# KiCad board impeller18.kicad_pcb (continued)
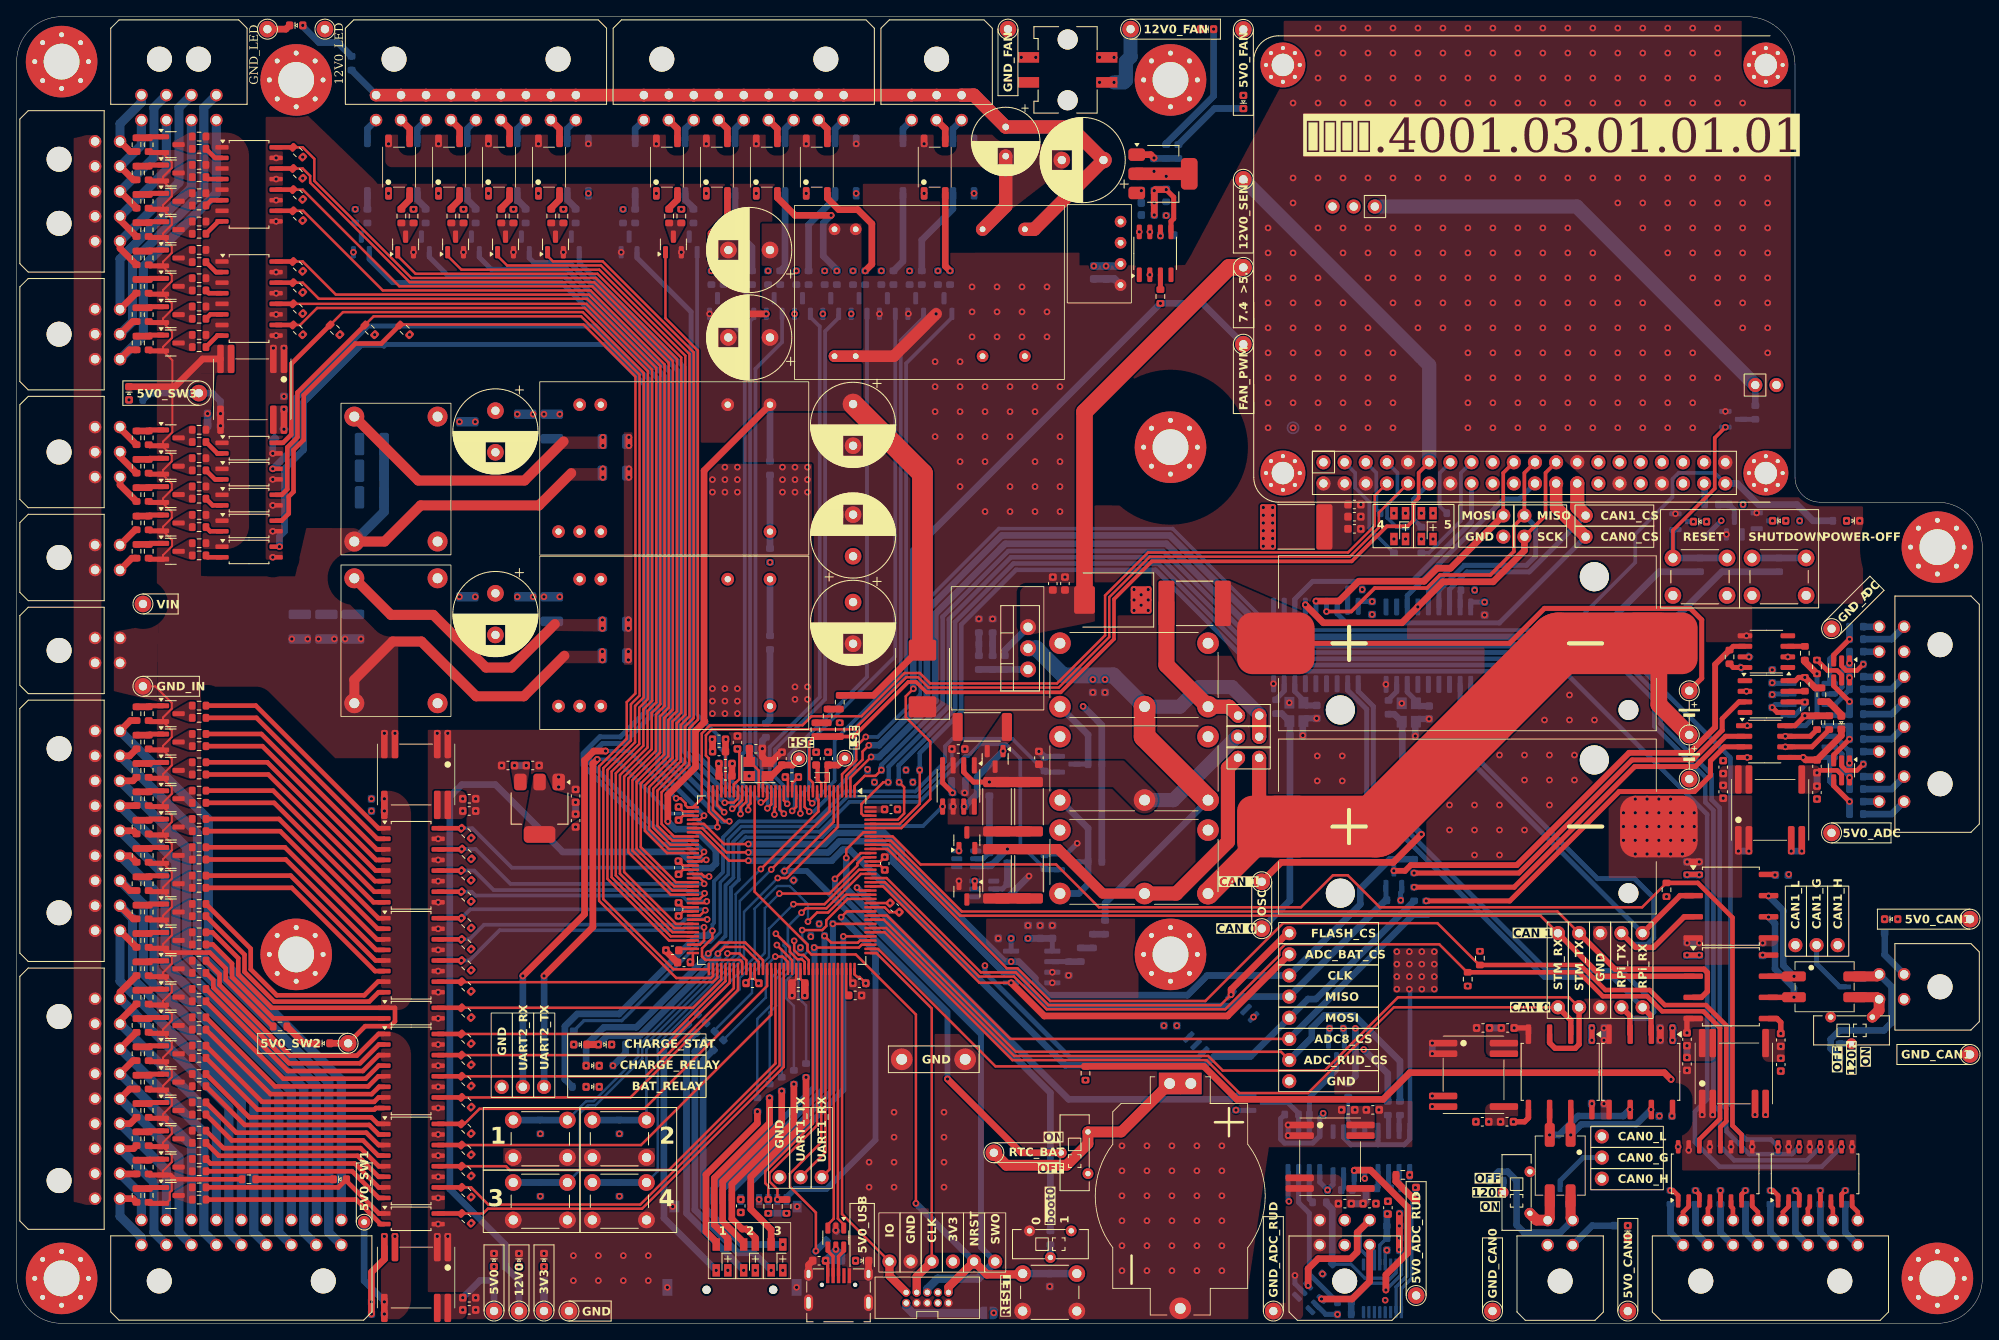
[diagram p0: board, top side]
## Copper pours and planes (outline as drawn; the poured copper is in the pictures) (continued)
Net-(Q30-D) on Top: 18.71,121.42 20.69,122.56 21.49,122.56 21.49,120.15 20.69,120.15 18.71,120.82
Net-(Q31-D) on Top: 18.71,118.02 20.69,119.16 21.49,119.16 21.49,116.74 20.69,116.74 18.71,117.42
Net-(Q32-D) on Top: 18.71,96.41 20.69,97.55 21.49,97.55 21.49,95.13 20.69,95.13 18.71,95.81
Net-(Q33-D) on Top: 18.71,93 20.69,94.15 21.49,94.15 21.49,91.73 20.69,91.73 18.71,92.4
Net-(Q34-D) on Top: 18.71,99.82 20.69,100.96 21.49,100.96 21.49,98.54 20.69,98.54 18.71,99.22
Net-(Q35-D) on Top: 18.71,103.22 20.69,104.36 21.49,104.36 21.49,101.94 20.69,101.94 18.71,102.62
Net-(Q36-D) on Top: 18.71,106.62 20.69,107.77 21.49,107.77 21.49,105.35 20.69,105.35 18.71,106.02
Net-(Q37-D) on Bottom: 40.21,131.84 40.21,132.53 42.58,132.53 42.58,131.84 41.68,129.84 41.56,129.76 41.22,129.76 41.1,129.84
Net-(Q38-D) on Bottom: 74.74,132.52 72.37,132.52 72.37,131.83 73.38,129.75 73.72,129.75 74.74,131.83
Net-(Q39-D) on Bottom: 105.76,125.12 105.76,124.43 104.74,122.35 104.4,122.35 103.39,124.43 103.39,125.12
Net-(Q40-D) on Top: 45.75,132.52 45.75,131.83 46.45,129.75 46.95,129.75 48.12,131.83 48.12,132.52
Net-(Q41-D) on Top: 77.91,132.52 80.28,132.52 80.28,131.83 79.11,129.75 78.61,129.75 77.91,131.83
Net-(Q42-D) on Bottom: 112.56,125.12 112.56,124.43 111.54,122.35 111.2,122.35 110.19,124.43 110.19,125.12
Net-(Q43-D) on Bottom: 47.21,131.83 47.21,132.52 49.58,132.52 49.58,131.83 48.87,129.75 48.37,129.75
Net-(Q44-D) on Bottom: 81.74,132.52 81.74,131.83 81.03,129.75 80.53,129.75 79.37,131.83 79.37,132.52
Net-(Q45-D) on Bottom: 109.16,125.12 109.16,124.43 108.14,122.35 107.8,122.35 106.79,124.43 106.79,125.12
Net-(Q46-D) on Top: 51.75,132.52 51.75,131.83 52.45,129.75 52.95,129.75 54.12,131.83 54.12,132.52
Net-(Q47-D) on Bottom: 85.36,125.12 85.36,124.43 84.34,122.35 84,122.35 82.99,124.43 82.99,125.12
Net-(Q48-D) on Bottom: 55.58,132.52 55.58,131.83 54.87,129.75 54.37,129.75 53.21,131.83 53.21,132.52
Net-(Q49-D) on Bottom: 88.76,125.12 88.76,124.43 87.74,122.35 87.4,122.35 86.39,124.43 86.39,125.12
Net-(Q50-D) on Top: 57.75,132.52 57.75,131.83 58.45,129.75 58.95,129.75 60.12,131.83 60.12,132.52
Net-(Q51-D) on Bottom: 98.96,125.12 98.96,124.43 97.94,122.35 97.6,122.35 96.59,124.43 96.59,125.12
Net-(Q52-D) on Bottom: 61.58,132.52 61.58,131.83 60.87,129.75 60.37,129.75 59.21,131.83 59.21,132.52
Net-(Q53-D) on Bottom: 92.16,125.12 92.16,124.43 91.14,122.35 90.8,122.35 89.79,124.43 89.79,125.12
Net-(Q54-D) on Top: 63.75,132.52 63.75,131.83 64.45,129.75 64.95,129.75 66.12,131.83 66.12,132.52
Net-(Q55-D) on Bottom: 102.36,125.12 102.36,124.43 101.34,122.35 101,122.35 99.99,124.43 99.99,125.12
Net-(Q56-D) on Bottom: 67.58,132.52 67.58,131.83 66.87,129.75 66.37,129.75 65.21,131.83 65.21,132.52
Net-(Q57-D) on Bottom: 95.56,125.12 95.56,124.43 94.54,122.35 94.2,122.35 93.19,124.43 93.19,125.12
Net-(Q64-G) on Bottom: 206.94,95.71 209.71,95.71 209.71,90.9 206.94,90.9

## Text on the board
B.Silkscreen: 8 | 7 | 6 | 5 | 4 | 3 | 2 | 1 | NEG | POS | GND | 12V0 | 24V0 | CAN1_L | 1.8 | 1.9 | 3.1 | 3.2 | 1.6 | 1.7 | SW 3.1 | SW 3.2 | SW 3.3 | SW 3.4 | SW 3.5 | SW 3.6 | SW 3.7 | SW 3.8 | SW 4.3 | SW 4.2 | SW 4.1 | SW 3.9 | SW 2.1 | SW 2.2 | SW 2.3 | SW 2.4 | SW 2.5 | SW 2.6 | SW 2.7 | SW 2.8 | SW 2.9 | SW 1.1 | SW 1.2 | SW 1.3 | SW 1.4 | SW 1.5 | SW 1.6 | SW 1.7 | SW 1.8 | SW 1.9 | SW 3.10 | 3.3 | 3.4 | 1.4 | 1.5 | 3.5 | 3.6 | 1.2 | 1.3 | 3.7 | 3.8 | 1.1 | 2.9 | 2.7 | 2.8 | 2.6 | 2.5 | 2.3 | 2.4 | 2.1 | 2.2 | 9 | 10 | 11 | 12 | 13 | 14 | 15 | 16 | 17 | 18 | 19 | 20 | 21 | SWD_3V3 | 5V0 | THR | _L | CAN0 | CAN1_H | CAN0_H | R | L
F.Silkscreen: GND_LED | 12V0_LED | 5V0_SW3 | VIN | GND_IN | 5V0_SW2 | GND | CHARGE_RELAY | CHARGE_STAT | BAT_RELAY | 1 | 2 | 3 | HSE | RTC_BAT | OFF | ON | 12V0_FAN | CAN 0 | CAN 1 | ADC_RUD_CS | ADC_BAT_CS | FLASH_CS | ADC8_CS | MISO | MOSI | CLK | 4 | 5 | 120R | SCK | CAN1_CS | CAN0_CS | CAN0_L | CAN0_G | CAN0_H | RESET | SHUTDOWN | POWER-OFF | 5V0_ADC | GND_CAN1 | 5V0_CAN1 | GN | D_A | DC | 5V0_SW1 | 5V0 | 12V0 | UART2_RX | 3V3 | UART2_TX | UART1_TX | UART1_RX | LSE | 5V0_USB | IO | NRST | SWO | GND_FAN | 0 | boot0 | - | 7.4  >5.0 | 5V0_FAN | 12V0_SENS | FAN_PWM | OSC | GND_ADC_RUD | 5V0_ADC_RUD | GND_CAN0 | STM_RX | STM_TX | RPi_TX | 5V0_CAN0 | RPi_RX | CAN1_L | CAN1_G | CAN1_H | ЦАИР.4001.03.01.01.01
